# Altium PCB fNIRS_PCB.PcbDoc (part 1 of 3) (continued)
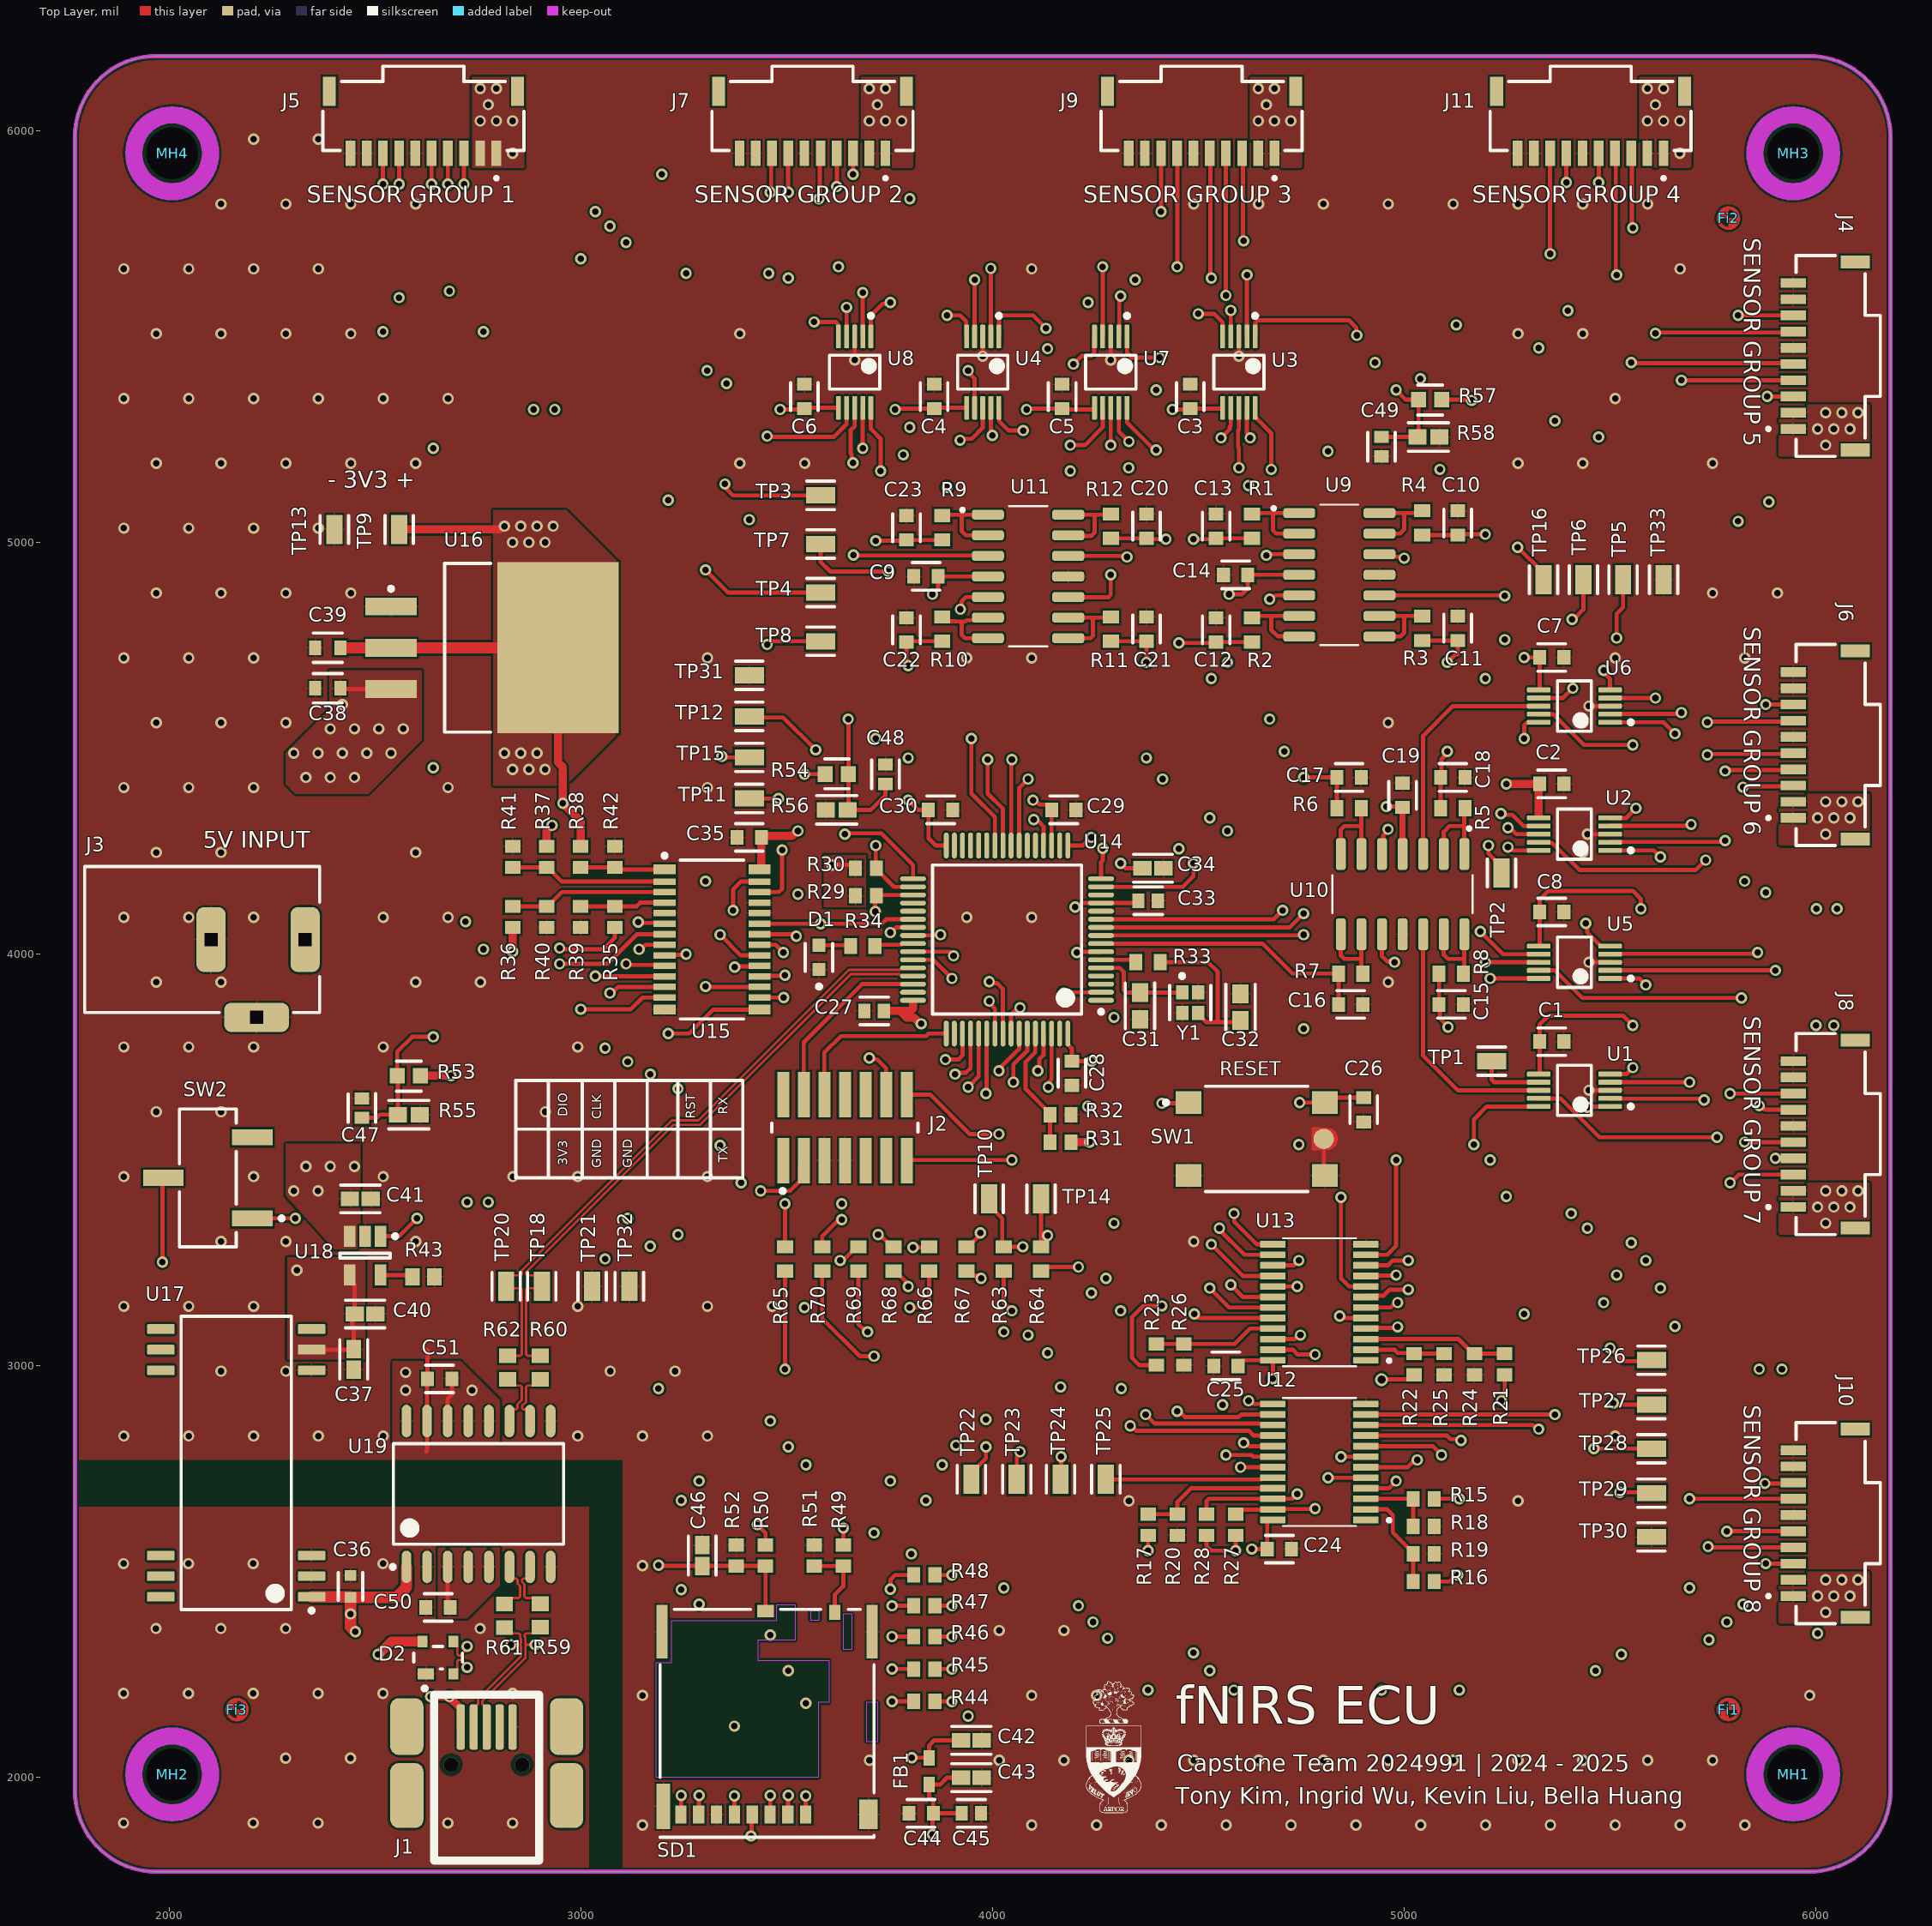
[diagram p0: Top Layer view]
## Layer stack, top to bottom
Top Solder: solder mask 0.5, Solder Resist, Dk 3.8
Top Layer: signal copper 1.378
Dielectric 1: prepreg 3.937, 2313, Dk 4.05
Mid Layer 1: signal copper 0.689
Core: core 49.803, FR-4, Dk 4.5
Mid Layer 2: signal copper 0.689
Dielectric 2: prepreg 3.937, 2313, Dk 4.05
Bottom Layer: signal copper 1.378
Bottom Solder: solder mask 0.5, Solder Resist, Dk 3.8

## Board outline
1968.5,1771.65 cw(c1968.5,1968.5) 1771.65,1968.5 1771.65,5984.25 cw(c1968.5,5984.25) 1968.5,6181.1 5984.25,6181.1 cw(c5984.25,5984.25) 6181.1,5984.25 6181.1,1968.5 cw(c5984.25,1968.5) 5984.25,1771.65 5980.31,1771.65

## Design rules (kind name [scope] priority, off if disabled: settings)
BoardOutlineClearance [All] p1: gap=7.87 ignorepadtopadclearanceinfootprint=FALSE
Clearance [All] p1: gap=4.92 ignorepadtopadclearanceinfootprint=FALSE except(4: Arc-Arc Arc-Track Arc-Text Track-Track Track-Text SMDPad-Text THPad-Text Fill-Text Poly-Text Region-Text Text-Text; 5: Via-Text; 9.84: Arc-Hole Track-Hole SMDPad-Hole THPad-Hole Via-Hole Fill-Hole Poly-Hole Region-Hole Text-Hole; 10.83: Arc-Via Track-Via SMDPad-Via THPad-Via Via-Via; 13.78: Arc-THPad Track-THPad SMDPad-THPad THPad-THPad)
ComponentClearance [All] p1: gap=4 collisioncheckmode=3 verticalgap=4 showdistances=TRUE
DiffPairsRouting [InDifferentialPairClass('All Differential Pairs')] p1: maxlimit=5 minlimit=5 mostfreqgap=5 toplayer_minwidth=5.53 toplayer_maxwidth=5.53 toplayer_prefwidth=5.53 midlayer1_minwidth=3.94 midlayer1_maxwidth=3.94 midlayer1_prefwidth=3.94 midlayer2_minwidth=3.94 midlayer2_maxwidth=3.94 midlayer2_prefwidth=3.94 bottomlayer_minwidth=5.53 bottomlayer_maxwidth=5.53 bottomlayer_prefwidth=5.53 impedanceprofiledriven=TRUE impedanceprofileid={8CD61299-B3FD-4D20-8E3D-90BBF660CABE} impedanceprofilevalue=90.000000 maxuncoupledlength=500
Height [All] p1: minheight=0 maxheight=71497.94 prefheight=500
HoleSize [All] p1: absolutevalues=TRUE maxlimit=248.03 minlimit=9.84 maxpercent=80.000 minpercent=20.000
HoleToHoleClearance [All] p1: gap=19.68 allowstackedmicrovias=FALSE
MinimumAnnularRing [All] p1: minimumring=5.12
MinimumSolderMaskSliver [All] p1: minsoldermaskwidth=0
PlaneClearance [All] p1: clearance=4
PlaneConnect PlaneConnectPowerPads [InPadClass('PowerPads')] p1: planeconnectstyle=Direct reliefexpansion=20 reliefentries=4 reliefconductorwidth=10 reliefairgap=10
PlaneConnect [All] p2: pad.planeconnectstyle=Relief pad.reliefexpansion=11.81 pad.reliefentries=4 pad.reliefconductorwidth=4 pad.reliefairgap=4 via.planeconnectstyle=Direct via.reliefexpansion=11.81 via.reliefentries=4 via.reliefconductorwidth=5 via.reliefairgap=5
PolygonConnect PolygonConnectPowerPads [All vs (InPadClass('PowerPads'))] p1: connectstyle=Direct reliefconductorwidth=10 reliefentries=4 polygonreliefangle="90 Angle" airgapwidth=10
PolygonConnect [All] p2: thpad.connectstyle=Relief thpad.reliefconductorwidth=4 thpad.reliefentries=4 thpad.polygonreliefangle="90 Angle" thpad.airgapwidth=4 smdpad.connectstyle=Relief smdpad.reliefconductorwidth=4 smdpad.reliefentries=4 smdpad.polygonreliefangle="90 Angle" smdpad.airgapwidth=4 via.connectstyle=Direct via.reliefconductorwidth=5 via.reliefentries=4 via.polygonreliefangle="90 Angle" via.airgapwidth=5
RoutingVias [All] p1: holewidth=7.87 width=17.72 viastyle="Through Hole" minholewidth=7.87 minwidth=17.72 maxholewidth=248.03 maxwidth=257.87
SilkToSilkClearance [All] p1: silktosilkclearance=0
SilkToSolderMaskClearance [IsPad] p1: minsilkscreentomaskgap=4 clearancetoexposedcopper=TRUE
SolderMaskExpansion [All] p1: expansion=2.95 istentingtop=FALSE
SupplyNets "Schematic Supply Nets_8" [InNet('MCU_GND')] p1: voltage=0.000
SupplyNets "Schematic Supply Nets_7" [InNet('5V_ISO')] p2: voltage=0.000
SupplyNets "Schematic Supply Nets_6" [InNet('USB_GND')] p3: voltage=0.000
SupplyNets "Schematic Supply Nets_5" [InNet('3V3')] p4: voltage=0.000
SupplyNets "Schematic Supply Nets_4" [InNet('5V_USB')] p5: voltage=0.000
SupplyNets "Schematic Supply Nets_2" [InNet('3V3_SD')] p6: voltage=0.000
SupplyNets "Schematic Supply Nets_1" [InNet('VDD1')] p7: voltage=0.000
SupplyNets "Schematic Supply Nets" [InNet('VBATT')] p8: voltage=0.000
Width [All] p1: maxlimit=629.92 minlimit=4 preferedwidth=4
20 further rules are at their usual default settings.

## Classes and differential pairs
component class Top: MH1 MH2 MH3 MH4
component class U_Sensing: TP16
component class U_OptodeControl: C35 R35 R36 R37 R38 R39 R40 R41 R42 U15
channel class GPIO_Expander: U_GPIO_Expander1 U_GPIO_Expander2
channel class Buffer: U_Buffer1 U_Buffer2 U_Buffer3
channel class AnalogMux: U_AnalogMux1 U_AnalogMux2 U_AnalogMux3 U_AnalogMux4 U_AnalogMux5 U_AnalogMux6 U_AnalogMux7 U_AnalogMux8
component class U_USBInterface: C50 C51 D2 R59 R60 R61 R62 TP18 TP20 U19
component class U_TemperatureSense: C47 C48 C49 R53 R54 R55 R56 R57 R58
component class U_SD_Card: C42 C43 C44 C45 C46 FB1 R44 R45 R46 R47 R48 R49 R50 R51 R52 SD1
component class U_Power: C36 C37 C38 C39 C40 C41 J3 R43 SW2 U16 U17 U18
component class U_OptodeConnectors: J4 J5 J6 J7 J8 J9 J10 J11 R63 R64 R65 R66 R67 R68 R69 R70
component class U_MCU: C26 C27 C28 C29 C30 C31 C32 C33 C34 D1 Fi1 Fi2 Fi3 R27 R28 R29 R30 R31 R32 R33 R34 SW1 TP9 TP10 TP11 TP12 TP13 TP14 TP15 TP21 TP22 TP23 TP24 TP25 TP26 TP27 TP28 TP29 TP30 TP31 TP32 TP33 U14 Y1
component class U_GPIO_Expander2: C25 R21 R22 R23 R24 R25 R26 U13
component class U_GPIO_Expander1: C24 R15 R16 R17 R18 R19 R20 U12
component class U_Connectors: J1 J2
component class U_Buffer3: C19 C20 C21 C22 C23 R9 R10 R11 R12 U11
component class U_Buffer2: C14 C15 C16 C17 C18 R5 R6 R7 R8 U10
component class U_Buffer1: C9 C10 C11 C12 C13 R1 R2 R3 R4 U9
component class U_AnalogMux8: C8 TP8 U8
component class U_AnalogMux7: C7 TP7 U7
component class U_AnalogMux6: C6 TP6 U6
component class U_AnalogMux5: C5 TP5 U5
component class U_AnalogMux4: C4 TP4 U4
component class U_AnalogMux3: C3 TP3 U3
component class U_AnalogMux2: C2 TP2 U2
component class U_AnalogMux1: C1 TP1 U1
differential pair UD: +UD_P -UD_N
differential pair DD: +DD_P -DD_N
differential pair USB_OTG_FS_D: +USB_OTG_FS_D_P -USB_OTG_FS_D_N
differential pair USB_D: +USB_D_P -USB_D_N

## Components (designator, comment, footprint, x,y, rotation, side; value= is the part's Value field where it differs from the comment)
C1 "CC0603KRX7R7BB104" FP-CC0603-DA-MFG 5358.27,3787.4 r0 top value="100 nF" (schematic designator C21)
C2 "CC0603KRX7R7BB104" FP-CC0603-DA-MFG 5358.27,4413.39 r0 top value="100 nF" (schematic designator C21)
C3 "CC0603KRX7R7BB104" FP-CC0603-DA-MFG 4480.31,5354.33 r90 top value="100 nF" (schematic designator C21)
C4 "CC0603KRX7R7BB104" FP-CC0603-DA-MFG 3858.27,5354.33 r90 top value="100 nF" (schematic designator C21)
C5 "CC0603KRX7R7BB104" FP-CC0603-DA-MFG 4169.29,5354.33 r90 top value="100 nF" (schematic designator C21)
C6 "CC0603KRX7R7BB104" FP-CC0603-DA-MFG 3543.31,5354.33 r90 top value="100 nF" (schematic designator C21)
C7 "CC0603KRX7R7BB104" FP-CC0603-DA-MFG 5358.27,4720.47 r0 top value="100 nF" (schematic designator C21)
C8 "CC0603KRX7R7BB104" FP-CC0603-DA-MFG 5358.27,4102.36 r0 top value="100 nF" (schematic designator C21)
C9 "CC0603KRX7R7BB104" FP-CC0603-DA-MFG 3838.58,4917.32 r0 top value="100 nF" (schematic designator C22)
C10 "CC0603KRX7R7BB104" FP-CC0603-DA-MFG 5129.92,5047.24 r270 top value="100 nF" (schematic designator C23)
C11 "CC0603KRX7R7BB104" FP-CC0603-DA-MFG 5129.92,4791.34 r270 top value="100 nF" (schematic designator C24)
C12 "CC0603KRX7R7BB104" FP-CC0603-DA-MFG 4543.31,4787.4 r270 top value="100 nF" (schematic designator C25)
C13 "CC0603KRX7R7BB104" FP-CC0603-DA-MFG 4543.31,5039.37 r270 top value="100 nF" (schematic designator C26)
C14 "CC0603KRX7R7BB104" FP-CC0603-DA-MFG 4590.55,4921.26 r0 top value="100 nF" (schematic designator C22)
C15 "CC0603KRX7R7BB104" FP-CC0603-DA-MFG 5114.17,3877.95 r180 top value="100 nF" (schematic designator C23)
C16 "CC0603KRX7R7BB104" FP-CC0603-DA-MFG 4870.08,3877.95 r180 top value="100 nF" (schematic designator C24)
C17 "CC0603KRX7R7BB104" FP-CC0603-DA-MFG 4866.14,4429.13 r180 top value="100 nF" (schematic designator C25)
C18 "CC0603KRX7R7BB104" FP-CC0603-DA-MFG 5118.11,4429.13 r180 top value="100 nF" (schematic designator C26)
C19 "CC0603KRX7R7BB104" FP-CC0603-DA-MFG 4996.06,4385.83 r270 top value="100 nF" (schematic designator C22)
C20 "CC0603KRX7R7BB104" FP-CC0603-DA-MFG 4374.02,5039.37 r270 top value="100 nF" (schematic designator C23)
C21 "CC0603KRX7R7BB104" FP-CC0603-DA-MFG 4374.02,4789.37 r270 top value="100 nF" (schematic designator C24)
C22 "CC0603KRX7R7BB104" FP-CC0603-DA-MFG 3791.34,4787.4 r270 top value="100 nF" (schematic designator C25)
C23 "CC0603KRX7R7BB104" FP-CC0603-DA-MFG 3791.34,5035.43 r270 top value="100 nF" (schematic designator C26)
C24 "CC0603KRX7R7BB104" FP-CC0603-DA-MFG 4696.85,2555.12 r0 top value="100 nF" (schematic designator C27)
C25 "CC0603KRX7R7BB104" FP-CC0603-DA-MFG 4566.93,3000 r180 top value="100 nF" (schematic designator C27)
C26 "CC0603KRX7R7BB104" FP-CC0603-DA-MFG 4901.57,3622.05 r270 top value="100 nF" (schematic designator C1)
C27 "C0603C475K9PACTU" FP-C0603-CG-MFG 3712.6,3862.2 r180 top value=4.7uF (schematic designator C2)
C28 "CC0603KRX7R7BB104" FP-CC0603-DA-MFG 4192.91,3710.63 r270 top value="100 nF" (schematic designator C3)
C29 "CC0603KRX7R7BB104" FP-CC0603-DA-MFG 4173.23,4350.39 r0 top value="100 nF" (schematic designator C4)
C30 "CC0603KRX7R7BB104" FP-CC0603-DA-MFG 3874.02,4350.39 r0 top value="100 nF" (schematic designator C5)
C31 "CL10C040CB8NNNC" FP-CL10-IPC_A 4358.27,3874.02 r270 top (schematic designator C6)
C32 "CL10C040CB8NNNC" FP-CL10-IPC_A 4602.36,3871.14 r90 top (schematic designator C7)
C33 "C0603C103K2RACTU" FP-C0603C-CF-MFG 4377.95,4129.92 r0 top value="10,000 pF" (schematic designator C8)
C34 "C1608X5R1H105K080AB" FP-C1608-080-0_1-IPC_B 4389.76,4208.66 r0 top (schematic designator C9)
C35 "CC0603KRX7R7BB104" FP-CC0603-DA-MFG 3409.45,4283.46 r180 top value="100 nF" (schematic designator C30)
C36 "GRM188R61E225KA12D" FP-GRM188-0_1-e0_2_0_5-MFG 2440.94,2464.57 r90 top (schematic designator C15)
C37 "C1608X5R1H105K080AB" FP-C1608-080-0_1-IPC_B 2448.82,3015.75 r270 top (schematic designator C16)
C38 "GRM188R61E106MA73D" FP-GRM188-0_2-MFG 2385.83,4645.67 r180 top (schematic designator C17)
C39 "GRM188R61E106MA73D" FP-GRM188-0_2-MFG 2385.83,4744.09 r180 top (schematic designator C18)
C40 "C1608X5R1H105K080AB" FP-C1608-080-0_1-IPC_B 2476.38,3125.98 r0 top (schematic designator C19)
C41 "C1608X5R1H105K080AB" FP-C1608-080-0_1-IPC_B 2464.57,3405.51 r0 top (schematic designator C20)
C42 "C1608X5R1H105K080AB" FP-C1608-080-0_1-IPC_B 3948.82,2090.55 r0 top (schematic designator C10)
C43 "C1608X5R1H105K080AB" FP-C1608-080-0_1-IPC_B 3948.82,2000 r0 top (schematic designator C11)
C44 "CC0603KRX7R7BB104" FP-CC0603-DA-MFG 3826.77,1913.39 r180 top value="100 nF" (schematic designator C12)
C45 "C0603C101J5GACTU" FP-C0603C-CF-MFG 3948.82,1913.39 r0 top value="100 pF" (schematic designator C13)
C46 "C1608X5R1H105K080AB" FP-C1608-080-0_1-IPC_B 3295.28,2539.37 r90 top (schematic designator C14)
C47 "C0603C103K2RACTU" FP-C0603C-CF-MFG 2468.5,3625.98 r90 top value="10,000 pF" (schematic designator C31)
C48 "C0603C103K2RACTU" FP-C0603C-CF-MFG 3740.16,4437.01 r90 top value="10,000 pF" (schematic designator C32)
C49 "C0603C103K2RACTU" FP-C0603C-CF-MFG 4944.88,5232.28 r270 top value="10,000 pF" (schematic designator C33)
C50 "CC0603KRX7R7BB104" FP-CC0603-DA-MFG 2653.54,2413.39 r180 top value="100 nF" (schematic designator C28)
C51 "CC0603KRX7R7BB104" FP-CC0603-DA-MFG 2657.48,2968.5 r180 top value="100 nF" (schematic designator C29)
D1 "LTST-C190GKT" FP-LTST-C190GKT-MFG 3578.74,3992.13 r90 top
D2 "PRTR5V0U2X,215" FP-SOT143B-MFG 2653.54,2291.34 r90 top
FB1 "742792651" WE-CBF_0603_L1.6W0.8H0.8_HC 3846.46,2015.75 r270 top
Fi1 "Fiducial" Fiducial-Footprint-1 5787.4,2165.35 r0 top
Fi2 "Fiducial" Fiducial-Footprint-1 5787.4,5787.4 r90 top
Fi3 "Fiducial" Fiducial-Footprint-1 2165.35,2165.35 r90 top
J1 "67503-1020" MOLX-67503-1020_V 2708.66,2123.03 r90 top (schematic designator J2)
J2 "FTSH-107-01-L-DV-K" FP-FTSH-107-01-L-DV-K-MFG 3641.73,3578.74 r0 top (schematic designator J3)
J3 "694106301002" 694106301002 2080.71,4035.43 r270 top (schematic designator J1)
J4 "T1M-10-F-SH-L-K" SAMTEC_T1M-10-F-SH-L-K 5944.88,5452.76 r90 top (schematic designator J)
J5 "T1M-10-F-SH-L-K" SAMTEC_T1M-10-F-SH-L-K 2618.11,5944.88 r180 top (schematic designator J4)
J6 "T1M-10-F-SH-L-K" SAMTEC_T1M-10-F-SH-L-K 5944.88,4507.87 r90 top (schematic designator J5)
J7 "T1M-10-F-SH-L-K" SAMTEC_T1M-10-F-SH-L-K 3562.99,5944.88 r180 top (schematic designator J6)
J8 "T1M-10-F-SH-L-K" SAMTEC_T1M-10-F-SH-L-K 5944.88,3562.99 r90 top (schematic designator J7)
J9 "T1M-10-F-SH-L-K" SAMTEC_T1M-10-F-SH-L-K 4507.87,5944.88 r180 top (schematic designator J8)
J10 "T1M-10-F-SH-L-K" SAMTEC_T1M-10-F-SH-L-K 5944.88,2618.11 r90 top (schematic designator J9)
J11 "T1M-10-F-SH-L-K" SAMTEC_T1M-10-F-SH-L-K 5452.76,5944.88 r180 top (schematic designator J10)
MH1 "M3 Mounting Hole" "New footprint 1" 5944.88,2007.87 r0 top
MH2 "M3 Mounting Hole" "New footprint 1" 2007.87,2007.87 r0 top
MH3 "M3 Mounting Hole" "New footprint 1" 5944.88,5944.88 r0 top
MH4 "M3 Mounting Hole" "New footprint 1" 2007.87,5944.88 r0 top
R1 "RC0603JR-071KL" RESC1608X55X25ML10T15 4629.92,5039.37 r270 top (schematic designator R19)
R2 "RC0603JR-071KL" RESC1608X55X25ML10T15 4629.92,4787.4 r270 top (schematic designator R20)
R3 "RC0603JR-071KL" RESC1608X55X25ML10T15 5043.31,4791.34 r270 top (schematic designator R21)
R4 "RC0603JR-071KL" RESC1608X55X25ML10T15 5043.31,5047.24 r270 top (schematic designator R22)
R5 "RC0603JR-071KL" RESC1608X55X25ML10T15 5118.11,4354.33 r180 top (schematic designator R19)
R6 "RC0603JR-071KL" RESC1608X55X25ML10T15 4866.14,4354.33 r180 top (schematic designator R20)
R7 "RC0603JR-071KL" RESC1608X55X25ML10T15 4870.08,3952.76 r180 top (schematic designator R21)
R8 "RC0603JR-071KL" RESC1608X55X25ML10T15 5114.17,3952.76 r180 top (schematic designator R22)
R9 "RC0603JR-071KL" RESC1608X55X25ML10T15 3877.95,5035.43 r270 top (schematic designator R19)
R10 "RC0603JR-071KL" RESC1608X55X25ML10T15 3877.95,4789.37 r270 top (schematic designator R20)
R11 "RC0603JR-071KL" RESC1608X55X25ML10T15 4287.4,4789.37 r270 top (schematic designator R21)
R12 "RC0603JR-071KL" RESC1608X55X25ML10T15 4287.4,5039.37 r270 top (schematic designator R22)
R15 "CRCW060310K0FKEA" RESC1609X50X30NL8T20 5047.24,2677.17 r0 top (schematic designator R23)
R16 "CRCW060310K0FKEA" RESC1609X50X30NL8T20 5047.24,2476.38 r0 top (schematic designator R24)
R17 "CRCW060310K0FKEA" RESC1609X50X30NL8T20 4377.95,2614.17 r270 top (schematic designator R25)
R18 "CRCW060310K0FKEA" RESC1609X50X30NL8T20 5047.24,2610.24 r180 top (schematic designator R26)
R19 "CRCW060310K0FKEA" RESC1609X50X30NL8T20 5047.24,2543.31 r180 top (schematic designator R27)
R20 "CRCW060310K0FKEA" RESC1609X50X30NL8T20 4448.82,2614.17 r90 top (schematic designator R28)
R21 "CRCW060310K0FKEA" RESC1609X50X30NL8T20 5244.09,3003.94 r270 top (schematic designator R23)
R22 "CRCW060310K0FKEA" RESC1609X50X30NL8T20 5023.62,3003.94 r270 top (schematic designator R24)
R23 "CRCW060310K0FKEA" RESC1609X50X30NL8T20 4397.64,3027.56 r270 top (schematic designator R25)
R24 "CRCW060310K0FKEA" RESC1609X50X30NL8T20 5170.6,3003.94 r90 top (schematic designator R26)
R25 "CRCW060310K0FKEA" RESC1609X50X30NL8T20 5097.11,3003.94 r90 top (schematic designator R27)
R26 "CRCW060310K0FKEA" RESC1609X50X30NL8T20 4464.57,3027.56 r90 top (schematic designator R28)
R27 "CRCW060310K0FKEA" RESC1609X50X30NL8T20 4590.55,2614.17 r270 top (schematic designator R1)
R28 "CRCW060310K0FKEA" RESC1609X50X30NL8T20 4519.69,2614.17 r270 top (schematic designator R2)
R29 "CRCW060310K0FKEA" RESC1609X50X30NL8T20 3692.91,4141.73 r180 top (schematic designator R3)
R30 "CRCW060310K0FKEA" RESC1609X50X30NL8T20 3692.91,4208.66 r180 top (schematic designator R4)
R31 "CRCW060310K0FKEA" RESC1609X50X30NL8T20 4165.35,3543.31 r0 top (schematic designator R5)
R32 "CRCW060310K0FKEA" RESC1609X50X30NL8T20 4165.35,3610.24 r180 top (schematic designator R6)
R33 "RC0603JR-070RL" RESC1608X55X25ML10T15 4377.95,3980.32 r180 top (schematic designator R7)
R34 "RC0603JR-071KL" RESC1608X55X25ML10T15 3685.04,4019.68 r180 top (schematic designator R8)
R35 "CRCW060310K0FKEA" RESC1609X50X30NL8T20 3082.68,4090.55 r270 top (schematic designator R33)
R36 "CRCW060310K0FKEA" RESC1609X50X30NL8T20 2834.65,4090.55 r270 top (schematic designator R34)
R37 "CRCW060310K0FKEA" RESC1609X50X30NL8T20 2917.32,4236.22 r90 top (schematic designator R35)
R38 "CRCW060310K0FKEA" RESC1609X50X30NL8T20 3000,4236.22 r90 top (schematic designator R36)
R39 "CRCW060310K0FKEA" RESC1609X50X30NL8T20 3000,4090.55 r90 top (schematic designator R37)
R40 "CRCW060310K0FKEA" RESC1609X50X30NL8T20 2917.32,4090.55 r90 top (schematic designator R38)
R41 "CRCW060310K0FKEA" RESC1609X50X30NL8T20 2834.65,4236.22 r270 top (schematic designator R39)
R42 "CRCW060310K0FKEA" RESC1609X50X30NL8T20 3082.68,4236.22 r270 top (schematic designator R40)
R43 "CRCW06032K00FKEA" RESC1609X50X30ML10T20 2618.11,3216.54 r180 top (schematic designator R18)
R44 "CRCW060310K0FKEA" RESC1609X50X30NL8T20 3834.65,2185.04 r0 top (schematic designator R9)
R45 "CRCW060310K0FKEA" RESC1609X50X30NL8T20 3834.65,2263.78 r0 top (schematic designator R10)
R46 "CRCW060310K0FKEA" RESC1609X50X30NL8T20 3834.65,2342.52 r0 top (schematic designator R11)
R47 "CRCW060310K0FKEA" RESC1609X50X30NL8T20 3834.65,2417.32 r0 top (schematic designator R12)
R48 "CRCW060310K0FKEA" RESC1609X50X30NL8T20 3834.65,2492.13 r0 top (schematic designator R13)
R49 "CRCW060310K0FKEA" RESC1609X50X30NL8T20 3637.8,2539.37 r90 top (schematic designator R14)
R50 "CRCW060310K0FKEA" RESC1609X50X30NL8T20 3448.82,2539.37 r90 top (schematic designator R15)
R51 "CRCW060310K0FKEA" RESC1609X50X30NL8T20 3566.93,2539.37 r270 top (schematic designator R16)
R52 "CRCW060310K0FKEA" RESC1609X50X30NL8T20 3377.95,2539.37 r270 top (schematic designator R17)
R53 "CRCW060310K0FKEB" FP-CRCW0603-e3-IPC_B 2582.68,3704.72 r0 top (schematic designator R41)
R54 "CRCW060310K0FKEB" FP-CRCW0603-e3-IPC_B 3622.05,4437.01 r180 top (schematic designator R42)
R55 "NCU18XH103F6SRB" FP-NCU18-0_15-IPC_B 2582.68,3610.24 r180 top (schematic designator R43)
R56 "NCU18XH103F6SRB" FP-NCU18-0_15-IPC_B 3622.05,4350.39 r0 top (schematic designator R44)
R57 "CRCW060310K0FKEB" FP-CRCW0603-e3-IPC_B 5062.99,5346.46 r0 top (schematic designator R45)
R58 "NCU18XH103F6SRB" FP-NCU18-0_15-IPC_B 5059.06,5255.91 r180 top (schematic designator R46)
R59 "ERJ-3EKF24R0V" RESC1608X55X30ML15T15 2901.57,2393.7 r90 top (schematic designator R29)
R60 "ERJ-3EKF24R0V" RESC1608X55X30ML15T15 2901.57,2996.06 r90 top (schematic designator R30)
R61 "ERJ-3EKF24R0V" RESC1608X55X30ML15T15 2814.96,2392.72 r90 top (schematic designator R31)
R62 "ERJ-3EKF24R0V" RESC1608X55X30ML15T15 2822.83,2996.06 r90 top (schematic designator R32)
R63 "RC0603JR-070RL" RESC1608X55X25ML10T15 4027.56,3259.84 r90 top (schematic designator R49)
R64 "RC0603JR-070RL" RESC1608X55X25ML10T15 4118.11,3259.84 r90 top (schematic designator R50)
R65 "RC0603JR-070RL" RESC1608X55X25ML10T15 3496.06,3259.84 r90 top (schematic designator R51)
R66 "RC0603JR-070RL" RESC1608X55X25ML10T15 3846.46,3259.84 r90 top (schematic designator R52)
R67 "RC0603JR-070RL" RESC1608X55X25ML10T15 3937.01,3259.84 r90 top (schematic designator R53)
R68 "RC0603JR-070RL" RESC1608X55X25ML10T15 3759.84,3259.84 r90 top (schematic designator R54)
R69 "RC0603JR-070RL" RESC1608X55X25ML10T15 3674.21,3259.84 r90 top (schematic designator R55)
R70 "RC0603JR-070RL" RESC1608X55X25ML10T15 3586.61,3259.84 r90 top (schematic designator R56)
SD1 "503398-1892" MOLX-503398-1892_V 3452.76,2157.48 r180 top
SW1 "FSM1LP" FP-FSM1LP-MFG 4641.73,3551.18 r0 top
SW2 "JS102011SCQN" FP-JS102011SCQN-MFG 2094.49,3456.69 r90 top
TP1 "S2761-46R" FP-S2761-46R-MFG 5212.6,3740.16 r0 top (schematic designator TP8)
TP2 "S2761-46R" FP-S2761-46R-MFG 5236.22,4196.85 r90 top (schematic designator TP8)
TP3 "S2761-46R" FP-S2761-46R-MFG 3582.68,5114.17 r0 top (schematic designator TP8)
TP4 "S2761-46R" FP-S2761-46R-MFG 3582.68,4877.95 r0 top (schematic designator TP8)
TP5 "S2761-46R" FP-S2761-46R-MFG 5531.5,4909.45 r270 top (schematic designator TP8)
TP6 "S2761-46R" FP-S2761-46R-MFG 5435.04,4909.45 r270 top (schematic designator TP8)
TP7 "S2761-46R" FP-S2761-46R-MFG 3582.68,4996.06 r180 top (schematic designator TP8)
TP8 "S2761-46R" FP-S2761-46R-MFG 3582.68,4759.84 r0 top
TP9 "S2761-46R" FP-S2761-46R-MFG 2559.06,5031.5 r90 top (schematic designator TP1)
TP10 "S2761-46R" FP-S2761-46R-MFG 3992.13,3405.51 r90 top (schematic designator TP2)
TP11 "S2761-46R" FP-S2761-46R-MFG 3409.45,4377.95 r180 top (schematic designator TP3)
TP12 "S2761-46R" FP-S2761-46R-MFG 3409.45,4577.43 r180 top (schematic designator TP4)
TP13 "S2761-46R" FP-S2761-46R-MFG 2401.57,5031.5 r90 top (schematic designator TP5)
TP14 "S2761-46R" FP-S2761-46R-MFG 4118.11,3405.51 r90 top (schematic designator TP6)
TP15 "S2761-46R" FP-S2761-46R-MFG 3409.45,4477.69 r180 top (schematic designator TP7)
TP16 "S2761-46R" FP-S2761-46R-MFG 5338.58,4909.45 r270 top (schematic designator TP9)
TP18 "S2761-46R" FP-S2761-46R-MFG 2905.51,3192.91 r90 top (schematic designator TP11)
TP20 "S2761-46R" FP-S2761-46R-MFG 2818.9,3192.91 r270 top (schematic designator TP13)
TP21 "S2761-46R" FP-S2761-46R-MFG 3027.56,3192.91 r90 top (schematic designator TP14)
TP22 "S2761-46R" FP-S2761-46R-MFG 3948.82,2724.41 r270 top (schematic designator TP15)
TP23 "S2761-46R" FP-S2761-46R-MFG 4059.06,2724.41 r270 top (schematic designator TP16)
TP24 "S2761-46R" FP-S2761-46R-MFG 4165.35,2724.41 r270 top (schematic designator TP17)
TP25 "S2761-46R" FP-S2761-46R-MFG 4275.59,2724.41 r270 top (schematic designator TP18)
TP26 "S2761-46R" FP-S2761-46R-MFG 5600.36,3013.81 r180 top (schematic designator TP19)
TP27 "S2761-46R" FP-S2761-46R-MFG 5600.36,2906.2 r180 top (schematic designator TP20)
TP28 "S2761-46R" FP-S2761-46R-MFG 5600.36,2798.59 r180 top (schematic designator TP21)
TP29 "S2761-46R" FP-S2761-46R-MFG 5600.36,2690.98 r180 top (schematic designator TP22)
TP30 "S2761-46R" FP-S2761-46R-MFG 5600.36,2584.68 r180 top (schematic designator TP23)
TP31 "S2761-46R" FP-S2761-46R-MFG 3409.45,4677.17 r180 top (schematic designator TP24)
TP32 "S2761-46R" FP-S2761-46R-MFG 3118.11,3192.91 r90 top (schematic designator TP25)
TP33 "S2761-46R" FP-S2761-46R-MFG 5629.92,4909.45 r90 top (schematic designator TP26)
U1 "TMUX1104DGSR" FP-DGS0010A-MFG 5413.39,3669.29 r180 top (schematic designator U5)
U2 "TMUX1104DGSR" FP-DGS0010A-MFG 5413.39,4291.34 r180 top (schematic designator U5)
U3 "TMUX1104DGSR" FP-DGS0010A-MFG 4598.42,5413.39 r270 top (schematic designator U5)
U4 "TMUX1104DGSR" FP-DGS0010A-MFG 3976.38,5413.39 r270 top (schematic designator U5)
U5 "TMUX1104DGSR" FP-DGS0010A-MFG 5413.39,3980.32 r180 top
U6 "TMUX1104DGSR" FP-DGS0010A-MFG 5413.39,4602.36 r180 top (schematic designator U5)
U7 "TMUX1104DGSR" FP-DGS0010A-MFG 4287.4,5413.39 r270 top (schematic designator U5)
U8 "TMUX1104DGSR" FP-DGS0010A-MFG 3665.35,5413.39 r270 top (schematic designator U5)
U9 "LMV324AIDR" SOIC127P600X175-14N 4842.52,4921.26 r0 top (schematic designator U6)
U10 "LMV324AIDR" SOIC127P600X175-14N 4996.06,4145.67 r270 top (schematic designator U6)
U11 "LMV324AIDR" SOIC127P600X175-14N 4086.61,4917.32 r0 top (schematic designator U6)
U12 "568-9919-1-ND" SOP65P640X110-24N 4794.09,2766.73 r180 top (schematic designator U7)
U13 "568-9919-1-ND" SOP65P640X110-24N 4794.09,3154.53 r180 top (schematic designator U7)
U14 "STM32L476RET6" STM-LQFP64_L 4035.43,4035.43 r180 top (schematic designator U1)
U15 "PCA9685PW,112" SOT361-1_V 3318.9,4035.43 r0 top (schematic designator U9)
U16 "LM1085ISX-3.3/NOPB" KTT0003B_M 2785.43,4744.09 r0 top (schematic designator U3)
U17 "DCP020505U/1K" DVB0012A_L 2163.39,2764.37 r180 top (schematic designator U2)
U18 "MCP73812T-420I/OT" SOT-23-OT5_M 2476.38,3267.72 r270 top (schematic designator U4)
U19 "ADUM4160BRWZ-RL" RW-16_L 2751.97,2688.98 r90 top (schematic designator U8)
Y1 "ABM11W-24.0000MHZ-7-B1U-T3" FP-ABM11W-MFG 4480.31,3881.89 r270 top

## Footprints (in the part's own frame and the unit in brackets; to place one, negate y for a bottom-side part, rotate by r counter-clockwise, add the part's x,y. Pads: shape width x height; smd on the part's side, far side on the other; paste and mask are expansions set on the pad)
694106301002 [mm] "DC Power Jack Right Angled(6.4)"
  rrect50% 4x1.8 hole 0.8 square: 1(0,6.35) 2(0,0.55)
  rrect50% 1.8x4 hole 0.8 square: 3(4.8,3.35)
  silkscreen extent -4.5,-7.25 4.5,7.25, body extent -4.5,-7.25 5,7.25, height 10.75
DVB0012A_L [mm] "SOIC, 12-Leads, Body 7.6x18.1mm, Pitch 1.27mm, IPC High Density"
  rrect17% 1.7x0.6 smd: 1(-4.65,8.255) 2(-4.65,6.985) 3(-4.65,5.715) 12(-4.65,-5.715) 13(-4.65,-6.985) 14(-4.65,-8.255) 15(4.65,-8.255) 16(4.65,-6.985) 17(4.65,-5.715) 26(4.65,5.715) 27(4.65,6.985) 28(4.65,8.255)
  silkscreen extent -4.78,-9.05 3.4,9.23, body extent -3.8,-9.05 3.8,9.05, height 2.65
Fiducial-Footprint-1 [mil]
  Top Layer region: 0,-24.61 -14.76,-19.68 -24.61,-9.84 -24.61,0 0,0
  Top Layer region: 24.61,0 0,0 0,24.61 14.76,19.68 24.61,9.84
  Top Layer lines w8: 0,-24.61 ccw(c0,0) 0,24.61 ccw(c0,0) 0,-24.61
FP-ABM11W-MFG [mm]
  rect 0.875x0.775 smd paste+0 mask+0: 1(-0.637,-0.487) 2(0.637,-0.487) 3(0.637,0.487) 4(-0.637,0.487)
  silkscreen extent -1.77,-1.28 1.05,1.28, body extent -1.17,-0.97 1.17,0.97, height 0.25
FP-C0603-CG-MFG [mm]
  rect 0.75x0.9 smd paste+0 mask+0: 1(-0.6,0) 2(0.6,0)
  silkscreen extent -0.87,-0.85 0.87,0.85, body extent -1.2,-0.6 1.2,0.6, height 0.25
FP-C0603C-CF-MFG [mm]
  rect 0.75x0.9 smd paste+0 mask+0: 1(-0.6,0) 2(0.6,0)
  silkscreen extent -0.87,-0.85 0.88,0.85, body extent -1.2,-0.6 1.2,0.6, height 0.25
FP-C1608-080-0_1-IPC_B [mil]
  rect 44.53x35.91 smd paste+0 mask+0: 1(-25.22,0) 2(25.22,0)
  silkscreen extent -47,-34 47,34, body extent -57,-28 57,28, height 10
FP-CC0603-DA-MFG [mm]
  rect 0.8x0.9 smd paste+0 mask+0: 1(-0.75,0) 2(0.75,0)
  silkscreen extent -0.85,-0.85 0.85,0.85, body extent -1.35,-0.75 1.35,0.75, height 0.25
FP-CL10-IPC_A [mil]
  rect 45.6x39.85 smd paste+0 mask+0: 1(-32.56,0) 2(32.56,0)
  silkscreen extent -55,-36 55,36, body extent -75,-40 75,40, height 10
FP-CRCW0603-e3-IPC_B [mil]
  rect 36.81x37.88 smd paste+0 mask+0: 1(-28.17,0) 2(28.17,0)
  silkscreen extent -30,-37 30,35, body extent -56,-29 56,29, height 10
FP-DGS0010A-MFG [mm]
  rrect33% 1.45x0.3 smd paste+0 mask+0: 1(-2.2,1) 2(-2.2,0.5) 3(-2.2,0) 4(-2.2,-0.5) 5(-2.2,-1) 6(2.2,-1) 7(2.2,-0.5) 8(2.2,0) 9(2.2,0.5) 10(2.2,1)
  silkscreen extent -3.6,-1.55 1.05,1.55, body extent -3.03,-1.8 3.03,1.8, height 0.25
FP-FSM1LP-MFG [mm]
  rect 1.6x1.395 smd paste+0 mask+0: 1(-4.205,2.248) 2(4.205,2.248) 3(-4.205,-2.248) 4(4.205,-2.248)
  round 1.26 smd paste+0 mask+0: 5(4.139,0)
  Top Layer region: 3.405,0.7 4.307,0.7 4.574,0.647 4.801,0.496 4.952,0.269 5.005,0.002 5.005,0.002 5.005,-0.002 4.952,-0.269 4.801,-0.496 4.574,-0.647 4.307,-0.7 4.307,-0.7 3.405,-0.7
  silkscreen extent -5.72,-3.25 3.15,3.25, body extent -5.1,-3.35 5.11,3.35, height 0.25
FP-FTSH-107-01-L-DV-K-MFG [mm]
  rect 0.74x2.79 smd paste+0 mask+0: 1(-3.81,-2.035) 2(-3.81,2.035) 3(-2.54,-2.035) 4(-2.54,2.035) 5(-1.27,-2.035) 6(-1.27,2.035) 7(0,-2.035) 8(0,2.035) 9(1.27,-2.035) 10(1.27,2.035) 11(2.54,-2.035) 12(2.54,2.035) 13(3.81,-2.035) 14(3.81,2.035)
  silkscreen extent -4.51,-4.04 4.51,0.27, body extent -4.61,-3.53 4.61,3.53, height 0.25
FP-GRM188-0_1-e0_2_0_5-MFG [mm]
  rect 0.65x0.7 smd paste+0 mask+0: 1(-0.675,0) 2(0.675,0)
  silkscreen extent -0.85,-0.75 0.85,0.75, body extent -1.1,-0.55 1.1,0.55, height 0.25
FP-GRM188-0_2-MFG [mm]
  rect 0.75x0.9 smd paste+0 mask+0: 1(-0.775,0) 2(0.775,0)
  silkscreen extent -0.9,-0.9 0.9,0.9, body extent -1.25,-0.6 1.25,0.6, height 0.25
FP-JS102011SCQN-MFG [mm]
  rect 1x2.5 smd paste+0 mask+0: 1(-2.5,-2.75) 2(0,2.75) 3(2.5,-2.75)
  silkscreen extent -4.25,-4.68 4.25,1.75, body extent -4.35,-4.1 4.35,4.1, height 0.25
FP-LTST-C190GKT-MFG [mm]
  rect 0.8x0.8 smd paste+0 mask+0: 1(-0.75,0) 2(0.75,0)
  silkscreen extent -1.92,-0.85 0.85,0.85, body extent -1.25,-0.55 1.25,0.55, height 0.25
FP-NCU18-0_15-IPC_B [mil]
  rect 43.55x37.73 smd paste+0 mask+0: 1(-26.62,0) 2(26.62,0)
  silkscreen extent -48,-35 48,35, body extent -58,-29 58,29, height 10
FP-S2761-46R-MFG [mm]
  rect 1.8x1 smd paste+0 mask+0: 1(0,0)
  silkscreen extent -0.85,-0.87 0.85,0.87, body extent -1,-0.6 1,0.6, height 0.25
FP-SOT143B-MFG [mm]
  rect 0.7x1 smd paste-1000 mask+0: 1(-1,0.75)
  rect 0.7x0.6 smd paste-1000 mask+0: 2(-1,-0.95) 3(1,-0.95) 4(1,0.95)
  silkscreen extent -2.02,-1.5 0.7,1.5, body extent -1.5,-1.63 1.5,1.63, height 0.25
KTT0003B_M [mm] "D2-PAK, 3-Leads, Body 10.41x8.89mm, Pitch 2.54mm, IPC Low Density"
  rect 3.15x1.1 smd: 1(-6.25,2.54) 2(-6.25,0) 3(-6.25,-2.54)
  rect 7.5x10.55 smd: 4(4.05,0)
  silkscreen extent -6.37,-5.2 -0.1,5.2, body extent -6.67,-5.2 7.68,5.2, height 4.64
MOLX-67503-1020_V [mm] "Mini USB Connector, SMT, Righer Angle"
  rrect50% 2.8x0.5 smd: 1(0,0) 2(0,-0.8) 3(0,-1.6) 4(0,-2.4) 5(0,-3.2)
  rrect50% 3.5x2.05 smd: 6(0.025,3.325) 8(0.025,-6.525)
  rrect50% 4x2.05 smd: 7(-4.225,3.325) 9(-4.225,-6.525)
  round 0.9 hole 0.9 unplated: X(-2.325,-3.8) Y(-2.325,0.6)
  silkscreen extent -8.25,-4.85 2,1.65, body extent -8.22,-6.56 0.78,3.34, height 3.95
MOLX-503398-1892_V [mm] "CONN, 8-Leads, Body 14.05x13.2mm, Pitch 1.1mm"
  rect 0.7x1.1 smd: 1(-2.38,6.27) 2(-1.28,6.27) 3(-0.18,6.27) 4(0.92,6.27) 5(2.02,6.27) 6(3.12,6.27) 7(4.22,6.27) 8(5.32,6.27)
  rect 1.05x0.78 smd: 9(0.095,-6.27)
  rect 0.7x0.93 smd: 10(-4.17,-6.195)
  rect 0.86x2.8 smd: 11(6.4,5.77)
  rect 0.7x3.3 smd: 12(6.48,-5.01) 13(-6.48,-5.01)
  rect 1.14x1.83 smd: 14(-6.26,6.255)
  Top Layer keep-out region: -6.83,-0.63 -6.13,-0.63 -6.13,1.77 -6.83,1.77
  Top Layer keep-out region: -5.235,-6.08 -4.685,-6.08 -4.685,-3.93 -5.235,-3.93
  Top Layer keep-out region: -3.22,-6.28 -2.67,-6.28 -2.67,-5.73 -3.22,-5.73
  Top Layer keep-out region: 6.83,4 6.83,-3.1 5.9,-3.1 5.9,-5.7 -0.6,-5.7 -0.6,-6.66 -1.73,-6.66 -1.73,-4.48 0.57,-4.48 0.57,-3.23 -3.82,-3.23 -3.82,-0.63 -3.17,-0.63 -3.17,4
  silkscreen extent -6.6,-6.38 6.6,7.67, body extent -6.55,-6.38 6.55,7.67, height 1.28
"New footprint 1" [mm]
  round 0 hole 3.2 unplated mask+1.35: ""(0,0)
  Keep-Out Layer lines w1: 1.02,-2.103 cw(c0,0) 1.041,-2.092
RESC1608X55X25ML10T15 [mm] "Chip Resistor, 2-Leads, Body 1.60x0.80mm, IPC Low Density"
  rect 0.8x1 smd: 1(-0.75,0) 2(0.75,0)
  body extent -0.85,-0.45 0.85,0.45, height 0.55
RESC1608X55X30ML15T15 [mm] "Chip Resistor, 2-Leads, Body 1.60x0.80mm, IPC Low Density"
  rect 0.9x1.05 smd: 1(-0.725,0) 2(0.725,0)
  body extent -0.87,-0.48 0.87,0.48, height 0.55
RESC1609X50X30ML10T20 [mm] "Chip Resistor, 2-Leads, Body 1.55x0.85mm, IPC Low Density"
  rect 0.9x1.05 smd: 1(-0.675,0) 2(0.675,0)
  body extent -0.82,-0.48 0.82,0.48, height 0.5
RESC1609X50X30NL8T20 [mm] "Chip Resistor, 2-Leads, Body 1.65x0.95mm, IPC Medium Density"
  rect 0.8x0.95 smd: 1(-0.65,0) 2(0.65,0)
  body extent -0.82,-0.48 0.82,0.48, height 0.5
RW-16_L [mm] "SOIC, 16-Leads, Body 10.3x7.5mm, Pitch 1.27mm, IPC High Density"
  oval 2x0.6 smd: 1(-4.5,4.445) 2(-4.5,3.175) 3(-4.5,1.905) 4(-4.5,0.635) 5(-4.5,-0.635) 6(-4.5,-1.905) 7(-4.5,-3.175) 8(-4.5,-4.445) 9(4.5,-4.445) 10(4.5,-3.175) 11(4.5,-1.905) 12(4.5,-0.635) 13(4.5,0.635) 14(4.5,1.905) 15(4.5,3.175) 16(4.5,4.445)
  silkscreen extent -4.62,-5.25 3.1,5.42, body extent -3.8,-5.25 3.8,5.25, height 2.65
SAMTEC_T1M-10-F-SH-L-K [mm]
  rect 0.6x1.55 smd: 01(-4.5,0) 02(-3.5,0) 03(-2.5,0) 04(-1.5,0) 05(-0.5,0) 06(0.5,0) 07(1.5,0) 08(2.5,0) 09(3.5,0) 10(4.5,0)
  rect 0.8x1.8 smd: S1(-5.8,-3.825) S2(5.8,-3.825)
  silkscreen extent -6.2,-5.38 6.2,1.63, body extent -6.2,-5.33 6.2,0.56, height 4.72
SOIC127P600X175-14N [mm]
  rrect50% 1.97x0.6 smd: 1(-2.475,3.81) 2(-2.475,2.54) 3(-2.475,1.27) 4(-2.475,0) 5(-2.475,-1.27) 6(-2.475,-2.54) 7(-2.475,-3.81) 8(2.475,-3.81) 9(2.475,-2.54) 10(2.475,-1.27) 11(2.475,0) 12(2.475,1.27) 13(2.475,2.54) 14(2.475,3.81)
  silkscreen extent -4.15,-4.33 1.17,4.33, body extent -3.01,-4.33 3.01,4.33, height 1.75
SOP65P640X110-24N [mm]
  rrect10% 1.57x0.41 smd: 1(-2.87,3.575) 2(-2.87,2.925) 3(-2.87,2.275) 4(-2.87,1.625) 5(-2.87,0.975) 6(-2.87,0.325) 7(-2.87,-0.325) 8(-2.87,-0.975) 9(-2.87,-1.625) 10(-2.87,-2.275) 11(-2.87,-2.925) 12(-2.87,-3.575) 13(2.87,-3.575) 14(2.87,-2.925) 15(2.87,-2.275) 16(2.87,-1.625) 17(2.87,-0.975) 18(2.87,-0.325) 19(2.87,0.325) 20(2.87,0.975) 21(2.87,1.625) 22(2.87,2.275) 23(2.87,2.925) 24(2.87,3.575)
  silkscreen extent -4.4,-3.95 2.25,3.95, body extent -3.26,-3.9 3.14,3.9, height 1.1
SOT361-1_V [mm] "SOP, 28-Leads, Body 9.7x4.4mm, Pitch 0.65mm, NXP Recommended"
  rect 1.35x0.6 smd: 1(-2.925,4.325) 14(-2.925,-4.325) 15(2.925,-4.325) 28(2.925,4.325)
  rect 1.35x0.4 smd: 2(-2.925,3.575) 3(-2.925,2.925) 4(-2.925,2.275) 5(-2.925,1.625) 6(-2.925,0.975) 7(-2.925,0.325) 8(-2.925,-0.325) 9(-2.925,-0.975) 10(-2.925,-1.625) 11(-2.925,-2.275) 12(-2.925,-2.925) 13(-2.925,-3.575) 16(2.925,-3.575) 17(2.925,-2.925) 18(2.925,-2.275) 19(2.925,-1.625) 20(2.925,-0.975) 21(2.925,-0.325) 22(2.925,0.325) 23(2.925,0.975) 24(2.925,1.625) 25(2.925,2.275) 26(2.925,2.925) 27(2.925,3.575)
  silkscreen extent -3.05,-4.9 1.96,5.3, body extent -2.2,-4.85 2.2,4.85, height 1.1
SOT-23-OT5_M [mm] "SOT23, 5-Leads, Body 2.9x1.7mm, Pitch 0.95mm, Lead Span 2.8mm, IPC Low Density"
  rect 1.3x0.7 smd: 1(-1.2,0.95) 2(-1.2,0) 3(-1.2,-0.95) 4(1.2,-0.95) 5(1.2,0.95)
  silkscreen extent -1.32,-1.55 0.15,1.98, body extent -0.9,-1.55 0.9,1.55, height 1.45
STM-LQFP64_L [mm] "QFP, 64-Leads, Body 10x10mm, Pitch 0.5mm, IPC High Density"
  oval 1.6x0.3 smd: 1(-5.8,3.75) 2(-5.8,3.25) 3(-5.8,2.75) 4(-5.8,2.25) 5(-5.8,1.75) 6(-5.8,1.25) 7(-5.8,0.75) 8(-5.8,0.25) 9(-5.8,-0.25) 10(-5.8,-0.75) 11(-5.8,-1.25) 12(-5.8,-1.75) 13(-5.8,-2.25) 14(-5.8,-2.75) 15(-5.8,-3.25) 16(-5.8,-3.75) 33(5.8,-3.75) 34(5.8,-3.25) 35(5.8,-2.75) 36(5.8,-2.25) 37(5.8,-1.75) 38(5.8,-1.25) 39(5.8,-0.75) 40(5.8,-0.25) 41(5.8,0.25) 42(5.8,0.75) 43(5.8,1.25) 44(5.8,1.75) 45(5.8,2.25) 46(5.8,2.75) 47(5.8,3.25) 48(5.8,3.75)
  oval 0.3x1.6 smd: 17(-3.75,-5.8) 18(-3.25,-5.8) 19(-2.75,-5.8) 20(-2.25,-5.8) 21(-1.75,-5.8) 22(-1.25,-5.8) 23(-0.75,-5.8) 24(-0.25,-5.8) 25(0.25,-5.8) 26(0.75,-5.8) 27(1.25,-5.8) 28(1.75,-5.8) 29(2.25,-5.8) 30(2.75,-5.8) 31(3.25,-5.8) 32(3.75,-5.8) 49(3.75,5.8) 50(3.25,5.8) 51(2.75,5.8) 52(2.25,5.8) 53(1.75,5.8) 54(1.25,5.8) 55(0.75,5.8) 56(0.25,5.8) 57(-0.25,5.8) 58(-0.75,5.8) 59(-1.25,5.8) 60(-1.75,5.8) 61(-2.25,5.8) 62(-2.75,5.8) 63(-3.25,5.8) 64(-3.75,5.8)
  silkscreen extent -5.93,-4.6 4.6,4.6, body extent -5,-5 5,5, height 1.6
WE-CBF_0603_L1.6W0.8H0.8_HC [mm] "SMD EMI Suppression Ferrite  Bead, body 1.60x0.80mm"
  rect 0.95x0.7 smd: 1(-0.825,0) 2(0.825,0)
  body extent -0.8,-0.4 0.8,0.4, height 0.8